# Altium PCB KCP-2282-601-PCBV3.8.PcbDoc (part 2 of 3) (continued)
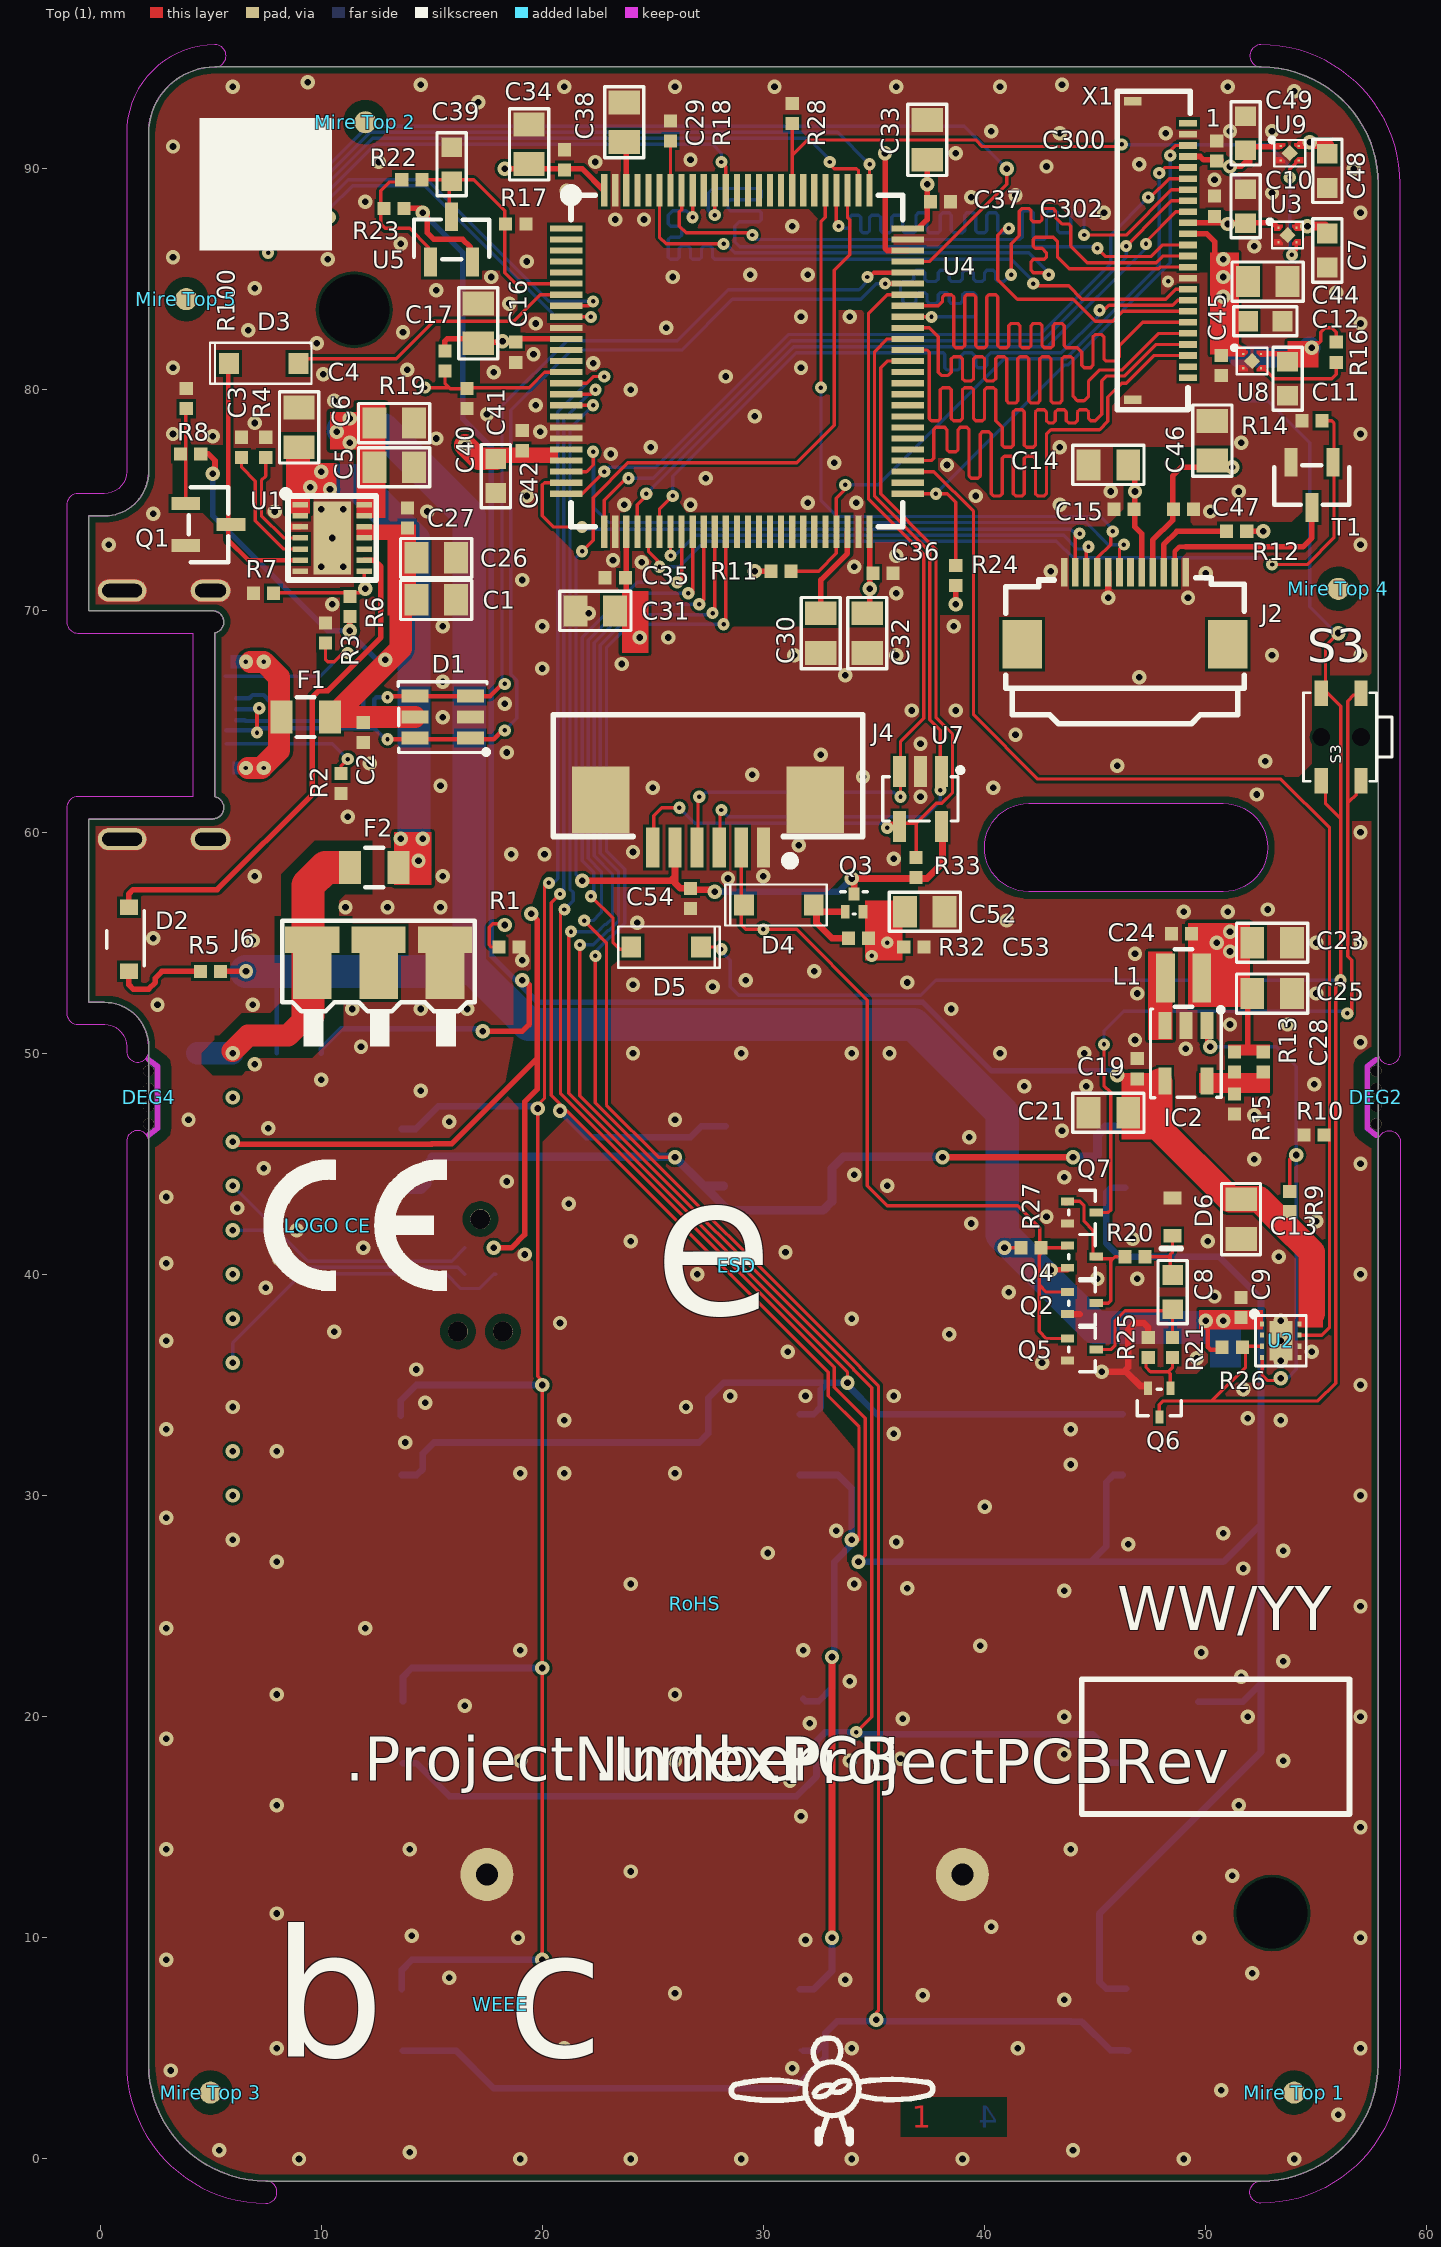
[diagram p0: Top (1) view]
## Nets (pads, with @x,y where several pads share a name; then routed paths per layer and width w, separated by ;. In a path a pad name is that pad's centre, name@x,y a point inside that pad or via, vN(x,y) a via of type N, cw(c..) or ccw(c..) an arc to the next point about the centre after c; other vN are vias at no path point) (continued)
  Top (1) w0.3: v1(33.1,10) v1(33.1,22.7)
  Bottom (4) w0.15: v2@20.975,57.375 20.975,78.675 22.3,80 v2(22.4,80)
  Bottom (4) w0.3: v1(20.8,47.4) 22,46.2 26.7,46.2 27.2,46.7 S7.C@28.3,46.7 ; S10.A@31.65,7.669 32.269,7.669 33.1,8.5 v1(33.1,10) ; S8.C@31.65,30.925 33.375,30.925 34,30.3 v1(34,28) 34.1,27.9 33.2,27 v1@33.2,22.9 ; S9.A@31.8,20.8 31.9,20.7 32.5,20.7 33.1,21.3 v1(33.1,22.7)
KBD_C2: S1.A S2.A S5.A S6.A U4.15 | length 104.3
  Top (1) w0.15: v1(20,9) v1(20,22.2) v1(20,35) 20.1,35.1 19.8,35.4 v1(19.8,47.5) 19.8,47.654 20.1,47.954 v2@20.1,57.6 ; U4.15@21.078,80.3 21.4,80.3 22,80.3 22.3,80.6 v2(22.8,80.6)
  Bottom (4) w0.15: v2(20.3,57.7) 20.3,57.5 20.4,57.6 20.7,57.9 20.7,79 22.3,80.6 v2(22.8,80.6)
  Bottom (4) w0.3: S2.A@13.6,33.6 13.6,33.669 13.6,34.3 14.3,35 v1(20,35) ; S6.A@13.65,7.669 13.65,8.55 14.1,9 v1(20,9) ; S1.A@13.65,46.575 14.275,46.575 15.3,47.6 19.6,47.6 v1@19.7,47.5 ; S5.A@13.7,20.7 13.7,21.8 14.1,22.2 v1(20,22.2)
KBD_R0: S6.C S10.C S14.A U4.37 | length 115.9
  Top (1) w0.15: v2(22.4,54.4) 22.2,54.4 22.3,54.3 22.4,54.2 22.4,47.767 34.35,35.817 34.35,35.811 34.65,35.511 34.65,35.506 35.2,34.956 35.2,6.7 v1@35,6.5 ; v2@28.3,69.3 28.3,69.4 U4.37@28.3,73.578 ; v1(35.1,6.3) v1@35.1,6.5
  Bottom (4) w0.15: v2(22.4,54.4) 22.4,54.6 23.075,55.275 23.125,55.275 23.725,55.875 23.725,58.331 22.9,59.156 22.9,68.344 23.956,69.4 v2(28.2,69.4) ; S10.C@31.65,4.919 S10.C@31.8,4.919
  Bottom (4) w0.3: S6.C@13.7,4.9 16.1,4.9 17.8,3.2 31.4,3.2 32.8,4.6 32.8,5.3 ; S10.C@31.8,4.9 32.4,4.9 32.8,5.3 ; 43.9,6.2 44.4,6.2 45.681,4.919 S14.A@46.35,4.919 ; 43.9,6.219 35.1,6.219 33.319,6.219 32.8,5.7 32.8,5.3 ; S14.A@46.35,4.9 S14.A@46.5,4.9
KBD_R1: S5.C S9.C S13.D U4.36 | length 103.6
  Top (1) w0.15: v2(21.7,54.9) 21.7,48.078 34.075,35.703 34.075,35.692 34.092,35.675 34.097,35.675 34.375,35.397 34.375,35.392 34.9,34.867 34.9,20 v2(34.2,19.3) ; v2(27.7,69.9) 27.8,70 U4.36@27.8,73.578
  Bottom (4) w0.15: v2(21.7,54.9) 22.3,54.9 22.95,55.55 23.011,55.55 23.45,55.989 23.45,58.217 22.625,59.042 22.625,68.458 23.992,69.825 27.625,69.825 v2(27.7,69.9)
  Bottom (4) w0.3: S5.C@13.7,17.9 14.3,17.9 15.8,16.4 31.5,16.4 32.4,17.3 32.4,18.1 ; S9.C@31.8,18 32.3,18 32.4,18.1 ; 33.321,19.219 34.2,19.218 44.9,19.2 45.3,18.8 45.3,18.2 45.581,17.919 S13.D@46.37,17.919 ; v2(34.2,19.3) 32.8,19.3 32.4,18.9 32.4,18.1
KBD_R2: S2.C S8.A S12.C U4.35 | length 88.1
  Top (1) w0.15: v2(21.3,55.5) 21.2,55.4 21.2,48.189 33.8,35.589 v1(33.8,35.1) ; v2(27.1,70.3) 27.3,70.5 U4.35@27.3,73.578
  Bottom (4) w0.15: v2(21.3,55.5) 22.511,55.5 22.836,55.825 22.897,55.825 23.175,56.103 23.175,58.103 22.35,58.928 22.35,68.572 24.078,70.3 v2(27.1,70.3)
  Bottom (4) w0.3: S2.C@13.65,30.925 14.325,30.925 14.6,31.2 14.6,31.9 15.1,32.4 27.1,32.4 27.5,32.8 27.5,34.4 28.2,35.1 32.9,35.1 ; S8.A@31.65,33.675 32.275,33.675 32.6,34 32.6,34.8 32.9,35.1 ; v1(33.8,35.1) v1@33.7,35.1 ; S12.C@46.25,33.675 35.125,33.675 33.75,35.05 v1@33.7,35.1 ; 32.9,35.1 v1@33.7,35.1
KBD_R3: S1.C S7.A S11.C U4.34 | length 73.5
  Top (1) w0.15: v2(21.9,56) 22.9,55 22.9,47.656 25.256,45.3 v1(26,45.3) ; v2(26.6,70.8) 26.8,70.8 U4.34@26.8,73.578
  Top (1) w0.3: v1(38.1,45.3) v1(44,45.3)
  Bottom (4) w0.15: v2(21.9,56) 22.3,56 22.6,56.3 22.675,56.375 22.675,58.214 22.075,58.814 22.075,68.686 24.189,70.8 v2(26.6,70.8)
  Bottom (4) w0.4: S1.C@13.65,43.825 14.525,43.825 14.8,44.1 14.8,45 15.1,45.3 ; 15,45.319 26,45.319 v1(26,45.3) 27.3,44 ; S7.A@28.2,44 27.3,44 ; v1@38.081,45.319 33.619,45.319 33.2,44.9 33.1,44.8 33.1,43.3 32.7,42.9 28.4,42.9 27.3,44 ; v1(44,45.3) 45,45.3 45.1,45.4 45.1,46.3 45.468,46.668 S11.C@46.35,46.668
M\C\U\_\R\S\T\: C40.1 JRST.1 P210.3 R19.1 U4.14 | length 76.8
  Top (1) w0.15: v2(14.7,80.1) 15.8,80.1 ; R19.1@15.6,80.7 15.6,80.3 15.8,80.1 ; C40.1@16.6,80.055 15.845,80.055 15.8,80.1 ; C40.1@16.6,80.1 19.4,80.1 20.1,80.8 U4.14@21.078,80.8
  VCC (3) w0.15: v1@6,36.1 12.85,42.95 12.85,48.228 10.25,50.828 10.25,69.783 7.325,72.708 7.325,75.192 9.625,77.492 9.625,79.5 10.225,80.1 v2(14.7,80.1)
  Bottom (4) w0.15: v1(6,36) 6,36.9 9.125,40.025 15.651,40.025 16.316,39.36 17.16,39.36 17.798,39.997 17.8,40 17.835,40 P210.3@17.9,40
MCU_BOOT0: R18.2 U4.94 | length 2.2
  Top (1) w0.15: U4.94@25.8,89.022 R18.2@25.8,91.2
MCU_OSC_IN: U4.12
MCU_OSC_OUT: U4.13
MCU_USB2_N: D1.1 D1.6 J8.A7 J8.B7 U4.70 | length 50.3
  Top (1) w0.2: v2(7.1,64.5) v2@7.1,65.6 ; v2(13,64.2) 14.245,64.2 16.755,64.2 17.8,64.2 18.25,64.65 18.3,64.7 v2(18.3,64.6) ; v2(35.5,84.8) U4.70@36.522,84.8
  Bottom (4) w0.15: v2(18.3,64.6) 18.85,65.15 18.85,66.857 18.575,67.132 18.575,79.075 21.3,81.8 26.3,81.8 28.6,84.1 34.407,84.1 35.107,84.8 v2(35.5,84.8)
  Bottom (4) w0.2: J8.B7@5.7,64.6 6.05,64.6 7.1,64.6 7.2,64.7 12.4,64.7 12.55,64.55 v2@12.9,64.2 ; J8.A7@6.15,65.55 7.05,65.55 v2@7.1,65.6 ; v2@12.95,64.25 v2(13,64.2)
  other v2: 7.2,65.6
MCU_USB2_P: D1.3 D1.4 J8.A6 J8.B6 U4.71 | length 51.6
  Top (1) w0.2: v2(13,66.1) 13.05,66.15 D1.4@14.245,66.15 D1.3@16.755,66.15 17.65,66.15 18.25,66.75 v2@18.3,66.8 ; v2@34.7,85 34.75,85.05 35,85.3 U4.71@36.522,85.3
  Bottom (4) w0.15: v2(18.3,66.7) 18.175,66.825 18.175,79.275 21.125,82.225 26.101,82.225 28.401,84.525 34.325,84.525 34.7,84.9 v2(34.7,85.1)
  Bottom (4) w0.2: J8.A6@6.15,65.05 6.55,65.05 6.575,65.025 8,65.025 ; J8.B6@6.15,66.05 6.75,66.05 6.9,66.2 7.4,66.2 7.7,65.9 7.7,65.325 8,65.025 ; v2(13,66.1) 12.5,66.1 12.4,66 12.4,65.2 12.225,65.025 11.975,65.025 11.9,65.1 11.9,66 11.8,66.1 11.4,66.1 11.3,66 11.3,65.225 11.1,65.025 8,65.025
NetB_1: B.1 F2.1 J6.3 J6.6 VBAT.1 | length 13.5
  Top (1) w1: v1@6,50.1 6.7,50.8 8.5,50.8 9.4,51.7
  Top (1) w1.5: 9.4,51.7 9.4,53.5 9.4,55.14 9.4,57.6 10.2,58.4 F2.1@11,58.4
  Bottom (4) w1: B.1@4.4,50 v1(6,50)
NetC3_2: C3.2 U1.5 | length 5.6
  Top (1) w0.15: C3.2@6.4,76.9 6.4,76.5 7.025,75.875 7.025,74.075 8.3,72.8 U1.5@9.05,72.8
NetC8_1: C8.1 D6.1 R20.2 | length 2.6
  Top (1) w0.15: R20.2@47.3,40.8 48.3,40.8 48.4,40.7 ; C8.1@48.4,40.2 48.4,40.7 ; D6.1@48.5,41.65 48.5,41 48.4,40.9 48.4,40.7
NetC8_2: C8.2 Q5.3 R21.2 | length 6
  Top (1) w0.15: Q5.3@45.2,36.6 45.7,36.6 45.9,36.8 45.9,37.9 46.35,38.35 48.5,38.35 48.54,38.39 C8.2@48.65,38.5 ; R21.2@48.5,37.2 C8.2@48.5,38.3
NetC28_1: C28.1 IC2.5 R13.2 R15.2
NetC29_1: C29.1 U4.98 | length 2.2
  Top (1) w0.25: U4.98@23.8,88.722 U4.98@23.8,89.022 C29.1@23.8,90.9
NetC30_1: C30.1 U4.48 | length 3.9
  Top (1) w0.25: C30.1@32.6,70.2 32.6,71.4 33.8,72.6 U4.48@33.8,73.578
NetC54_1: C54.1 J4.5 Q3.3 R33.2 U4.78 U7.5 | length 61.4
  Top (1) w0.15: v2(21.8,72.7) 22.3,73.2 22.3,75.128 23.872,76.7 31.5,76.7 33.2,78.4 33.2,85.4 33.9,86.1 33.9,87.7 33.8,87.8 U4.78@33.8,89.022
  Top (1) w0.3: v1(21.8,57.8) 25.8,57.8 26,58 ; J4.5@26,58.9 26,58 ; C54.1@26.7,57.4 27.7,57.4 v1(27.8,57.3) ; C54.1@26.7,57.455 26.245,57.455 26,57.7 26,58 ; Q3.3@34.1,57.2 34.1,57.9 36.9,57.9 37.4,57.9 38.1,58.6 U7.5@38.1,60.2
  Bottom (4) w0.15: v1(21.8,57.8) 21.525,58.075 21.525,72.425 v2(21.8,72.7)
  Bottom (4) w0.3: v1(27.8,57.3) 33.4,57.3 v1(34,57.9)
NetD2_1: D2.1 U1.9 | length 23.4
  Top (1) w0.25: D2.1@1.3,56.7 1.3,57.2 1.5,57.4 5.3,57.4 9.6,61.7 9.6,66.1 9.9,66.4 10.3,66.4 12.7,68.8 12.7,72 12.4,72.3 U1.9@11.95,72.3
NetD2_2: D2.2 R5.2 | length 4.2
  Top (1) w0.25: D2.2@1.3,53.6 1.3,53.1 1.5,52.9 2.2,52.9 2.5,53.2 2.5,53.4 2.8,53.7 R5.2@4.5,53.7
NetD4_A: D4.2 Q3.1 R32.2 | length 3.6
  Top (1) w0.3: D4.2@32.4,56.7 32.4,55.9 33.1,55.2 R32.2@33.845,55.2 ; D4.2@32.6,56.4 Q3.1@33.7,56.4
NetD5_C: D5.1 Q6.3 R26.1 S3.1 S3.2 SW.1 U2.3 | length 93.5
  Top (1) w0.15: D5.1@27.175,54.8 v2@28,54.8 ; Q6.3@47.9,33.55 47.9,34.1 48.075,34.275 55.075,34.275 55.875,35.075 55.875,53.075 v2(56.1,53.3) 56.1,60.6 ; 50.3,34.3 51.8,35.8 51.8,36.7 51.8,36.75 U2.3@52.55,36.75 ; S3.2@55.2,66.3 55.22,66.3 S3.2@55.42,66.3 ; S3.1@55.42,62.325 55.42,61.28 56.1,60.6 ; v1(56,69) 55.42,68.42 S3.2@55.42,66.3 ; S3.2@55.42,66.3 55.5,66.3 56.1,65.7 56.1,60.6
  Bottom (4) w0.15: v2@28.1,54.6 28.5,54.2 28.5,53 28.875,52.625 37.125,52.625 37.8,53.3 56,53.3 56.05,53.35 v2@56.1,53.4 ; SW.1@51.6,79.5 52.8,79.5 54.7,77.6 54.7,70.2 55.95,68.95 v1@56,68.9 ; v2@56.025,53.225 v2(56.1,53.3)
  other v2: 28.1,54.7
NetIC2_1: IC2.1 R9.2 U2.4 | length 23.4
  Top (1) w0.15: IC2.1@50.05,51.25 50.05,50.45 v1(50.2,50.3) ; U2.4@52.55,36.25 52.55,35.45 52.8,35.2 53.325,35.2 v1@53.35,35.225 ; R9.2@53.8,43.755 53.8,45.2 54.05,45.45 v1@54.1,45.5
  Bottom (4) w0.15: v1(50.2,50.3) 53.2,50.3 54.1,49.4 v1(54.1,45.4) 54.1,35.7 53.7,35.3 v1(53.4,35.3)
NetIC2_3: IC2.3 L1.1
NetQ1_1: Q1.1 R8.1 R100.2 | length 4.3
  Top (1) w0.15: R100.2@3.8,79.1 3.828,79.072 3.875,79.025 3.875,77.1 Q1.1@3.875,74.85
NetQ2_3: Q2.3 Q4.3 Q7.1 R20.1 | length 7.2
  Top (1) w0.15: Q7.1@43.65,43.2 Q7.1@43.75,43.2 ; Q7.1@43.75,43.3 44.3,43.3 44.5,43.1 44.5,42.4 44.9,42 Q4.3@44.9,40.8 ; Q4.3@44.9,40.7 45.05,40.7 45.8,40.7 ; Q2.3@45.05,38.7 45.6,38.7 45.7,38.8 45.7,40.6 45.8,40.7 ; 46,40.8 45.9,40.8 45.8,40.7
NetQ6_1: Q6.1 R21.1 R25.2 | length 2.7
  Top (1) w0.15: R25.2@47.3,36 47.3,35.8 47.5,35.6 48.3,35.6 ; Q6.1@48.4,34.95 48.4,35.5 48.3,35.6 ; R21.1@48.5,36.2 48.5,35.8 48.3,35.6
NetQ7_3: Q7.3 S3.3 S3.4 | length 36.5
  Top (1) w0.15: Q7.3@45.05,42.8 45.6,42.8 45.7,42.9 45.7,46.467 45.7,48.233 45.4,48.533 v2(45.4,50.4) ; v2(56.4,51.8) 56.55,51.8 56.6,51.75 56.6,51.8 56.6,54.2 56.42,54.38 56.42,65.92 56.7,66.2 S3.4@56.9,66.2 ; 56.475,61.375 56.82,61.72 S3.3@56.82,62.325
  Bottom (4) w0.15: v2(45.4,50.4) 45.4,51 46.3,51.9 56.2,51.9 v2@56.3,51.8 ; v2(56.4,51.8) v2@56.5,51.9
NetR1_2: R1.2 R6.1 R7.2 U1.8 | length 29.2
  Top (1) w0.15: R7.2@8.1,70.825 11.3,70.825 11.725,70.825 11.95,71.05 U1.8@11.95,71.8 ; R1.2@18.045,54.8 17.7,54.8 17.6,54.9 17.6,55.7 17.75,55.85 v1@18.25,55.85
  VCC (3) w0.15: v1(12,71) 12,70.6 10.525,69.125 10.525,57.675 11,57.2 16.9,57.2 v1(18.3,55.8)
NetR4_1: R4.1 U1.4 | length 4.8
  Top (1) w0.15: R4.1@7.4,76.8 7.5,76.7 7.5,76.1 7.3,75.9 7.3,74.3 8.3,73.3 U1.4@9.05,73.3
NetR16_2: R16.2 U8.3 | length 4
  Top (1) w0.15: 52.6,81 53.008,80.591 53.1,80.5 55.7,80.5 55.9,80.7 R16.2@55.9,81.1
NetR22_2: R22.2 R23.1 U5.1 | length 5.6
  Top (1) w0.15: R22.2@13.4,89.4 13.1,89.4 12.7,89 12.7,88.2 12.7,87.5 12.9,87.3 14,87.3 14.85,86.45 U5.1@14.85,85.8 ; U5.1@14.875,85.775 U5.1@14.9,85.8
NetRx4_1: Rx4.1 U4.8 | length 82
  Top (1) w0.15: U4.8@21.078,83.8 22.1,83.8 v2(22.3,84)
  VCC (3) w0.15: v1(6,30) 5,31 5,36.4 5.7,37.1 6.222,37.1 12.3,43.178 12.3,48 9.7,50.6 9.7,69.556 6.775,72.481 6.775,75.419 8.925,77.569 8.925,85.95 9.6,86.625 v2(9.6,87.4)
  Bottom (4) w0.15: v2(9.6,87.4) 9.6,87.872 11.228,89.5 14.8,89.5 20.3,84 v2(22.3,84)
NetTx4_1: Tx4.1 U4.9 | length 79.4
  Top (1) w0.15: U4.9@21.078,83.3 v2(22.2,83.3)
  VCC (3) w0.15: v1(6,32) 5.275,32.725 5.275,36.286 5.814,36.825 6.336,36.825 12.575,43.064 12.575,48.114 9.975,50.714 9.975,69.67 7.05,72.595 7.05,75.305 9.2,77.455 9.2,85.836 10.4,87.036 v2(10.4,87.8)
  Bottom (4) w0.15: v2@10.4,87.7 v2(10.4,87.8) 10.4,88.2 11.425,89.225 14.686,89.225 20.611,83.3 v2(22.2,83.3)
P\W\R\_\H\A\L\T\_\R\E\Q\: D5.2 U4.33 | length 23.3
  Top (1) w0.15: v2(22.2,57.1) 23.2,56.1 23.2,55 23.5,54.7 24.025,54.7 D5.2@24.1,54.7 ; v2(26.1,71.3) 26.2,71.3 26.3,71.4 U4.33@26.3,73.578
  Bottom (4) w0.15: v2@22.1,57.1 22.15,57.15 22.325,57.325 22.325,58.175 21.8,58.7 21.8,68.8 24.3,71.3 v2(26.1,71.3)
PWR_CAM_EN: R28.2 U3.3 U4.83 U9.3 | length 31.8
  Top (1) w0.15: R28.2@31.2,92.1 31.278,92.023 31.3,92 31.3,90.6 ; U4.83@31.3,89.022 31.3,90.6 ; v2@46.2,91 39.9,91 39.6,91.3 32,91.3 31.3,90.6 ; v2@53.8,89.5 v2(53.8,89.6) 53.8,89.97 U9.3@54.205,90.375 ; 54.1,86.3 54.1,86.6
  Bottom (4) w0.15: v2@46.2,91.075 52.825,91.075 53.8,90.1 v2(53.8,89.6) 53.8,86.2 v2(53.9,86.1)
  other v2: 46.2,91.1
PWR_KILL: R10.2 U2.7 U4.53 | length 55
  Top (1) w0.15: U4.53@36.8,76.3 37.7,76.3 39.5,74.5 39.5,65.3 42.4,62.4 53.4,62.4 55.6,60.2 55.6,46.3 55.6,37.6 55.25,37.25 U2.7@54.25,37.25
SC_PRES_SW: D4.1 J4.2 Q2.1 Q4.1 Q5.1 R27.1 SC_SW.1 | length 36.1
  Top (1) w0.15: J4.2@29,59.3 29,56.7 29,55.8 29.2,55.6 v2(30,55.6) 31.5,55.6 34.7,52.4 34.7,44 35.6,43.1 41.5,43.1 42.5,42.1 42.5,41.5 42.677,41.323 R27.1@42.7,41.3 ; J4.2@29.04,59.3 J4.2@29.04,59.5 ; Q2.1@43.55,39.2 42.8,39.2 42.475,39.525 ; Q5.1@43.7,37.1 42.8,37.1 42.475,37.425 42.475,39.525 ; Q4.1@43.7,41.2 42.8,41.2 42.677,41.077 42.475,40.875 42.475,39.525
SC_RST: J4.4 U4.69 U7.3 | length 36.9
  Top (1) w0.15: J4.4@27.04,59.5 27.04,61.54 v2(27.1,61.6) ; v2@36.2,61.5 v2(36.2,61.6) 36.2,62.75 36.2,64.1 37.25,65.15 37.25,72.572 34.75,75.072 34.75,83.45 35.6,84.3 U4.69@36.522,84.3
  Bottom (4) w0.15: v2@27.2,61.6 27.4,61.8 35.9,61.8 36.15,61.55 v2@36.2,61.5
SC_USART_CLK: J4.3 U4.65 U7.1 | length 35.1
  Top (1) w0.15: J4.3@28.04,59.5 28.04,60.94 v2(28.1,61) ; U4.65@36.522,82.3 35.6,82.3 35.025,81.725 35.025,75.186 37.525,72.686 37.525,65.075 38,64.6 38,62.75 v2(38,61.9)
  Bottom (4) w0.15: v2(28.1,61) 28.4,60.7 37.3,60.7 38,61.4 v2(38,61.9)
SC_USART_TX: J4.6 R33.1 U4.63 U7.4 | length 39.5
  Top (1) w0.15: J4.6@25.04,59.5 25.04,60.74 25.4,61.1 v2(26.2,61.1) ; v2@35.5,60.2 35.55,60.25 35.7,60.4 36.15,60.4 36.917,60.4 ; U4.63@36.522,81.3 35.6,81.3 35.3,81 35.3,75.3 37.8,72.8 37.8,65.189 38.55,64.439 38.55,61.778 38.072,61.3 37.817,61.3 36.917,60.4 ; R33.1@36.917,58.883 36.917,60.4
  Bottom (4) w0.15: v2(26.2,61.1) 26.9,60.4 35.4,60.4 v2(35.6,60.2)
SCR_BL_PWM: R14.2 T1.1 U4.30 | length 39.4
  Top (1) w0.15: U4.30@24.8,73.578 24.8,72.7 25.2,72.3 v2@25.2,72 ; v2(53,72.1) 54.6,72.1 55.8,73.3 55.8,76.725 55.8,78.5 55.7,78.6 R14.2@55.3,78.6
  Bottom (4) w0.15: v2(25.3,72) 26.2,72 27.35,73.15 43.25,73.15 44,72.4 52.7,72.4 v2(53,72.1)
SCR_D/C: J2.6 U4.23 | length 32.8
  Top (1) w0.15: U4.23@21.078,76.3 22,76.3 22.3,76.6 v2(22.3,77.2) ; J2.6@46.1,71.75 46.1,72.8 v2@46.2,72.9
  Bottom (4) w0.15: v2(22.3,77.2) 22.3,74.7 23,74 44.6,74 45.6,73 v2(46.3,73) ; 22.325,74.725 v2@22.325,77.2
SCR_RST: J2.2 U4.24 | length 28.9
  Top (1) w0.15: U4.24@21.078,75.8 20.1,75.8 20,75.7 20,74.3 20.5,73.8 v2(21.8,73.8) ; J2.2@44.1,71.75 44.1,73.4 v2@44.2,73.5
  Bottom (4) w0.15: v2(21.8,73.8) 21.9,73.7 43.9,73.7 v2@44.2,73.4
  other v2: 44.3,73.5
SCR_SPI_MOSI: J2.3 U4.32 | length 21.9
  Top (1) w0.15: v2@25.8,72.6 U4.32@25.8,73.578 ; J2.3@44.6,71.75 44.6,72.8 v2(44.7,72.9) v2@44.8,73
  Bottom (4) w0.15: v2(25.8,72.5) 26,72.5 26.925,73.425 43.575,73.425 44.2,72.8 v2@44.7,72.8
SCR_SPI_SCK: J2.4 U4.80 | length 30.1
  Top (1) w0.15: v2(32.6,80.1) 32.6,86.8 32.6,87.6 32.8,87.8 U4.80@32.8,89.022 ; J2.4@45.1,71.75 45.1,72.4 45.7,73 v2@45.7,73.6
  Bottom (4) w0.15: v2(32.6,80.1) 32.6,75 33.325,74.275 45.225,74.275 45.85,73.65 v2@45.9,73.6
  other v2: 45.8,73.6
SCR_TE: J2.7
USB_5V: F1.1 J8.A4_B9 J8.B4_A9 VIN.1 | length 23.1
  Top (1) w1: v3@6.7,62.9 7.3,62.9 7.35,62.95 8.1,63.7 8.1,65.2 8.1,67 v3(7.4,67.7) v3@6.8,67.7
  VCC (3) w0.5: v1@5.9,48 v1(6,48) 6.9,48 7.9,49 7.9,62.4 v3(7.4,62.9)
  other v3: 6.6,62.9 6.6,67.7
V1P5: 1V5.1 C10.1 C302.1 U3.1 X1.10 | length 4.1
  Top (1) w0.25: X1.10@49.2,87.55 50.4,87.55 51,87.55 51.8,87.55 53.05,87.55 U3.1@53.25,87.35
  other v1: 51,87.5
V1P8: 1V8.1 C12.1 C14.1 C15.1 C16.1 C17.1 C31.1 C32.1 C33.1 C34.1 C35.1 C36.1 C37.1 C38.1 C44.1 C45.1 C52.1 C53.1 J1V8.1 J2.8 P210.1 Q3.2 R11.2 R19.2 R24.2 R32.1 U4.11 U4.28 U4.50 U4.75 U4.100 U8.1 X1.11 | length 63.6
  Top (1) w0.25: v1(6,46) 6.106,45.894 15,45.894 ; 15,45.9 15.9,45.9 19.775,49.775 ; R19.2@15.6,81.755 15.6,82.2 15.7,82.3 15.8,82.3 C17.1@17.1,82.3 ; C17.1@17.745,82.155 18.2,82.155 C16.1@18.8,82.155 ; v1(17.8,41.2) 18.6,41.2 19.2,41.8 19.2,47.8 19.775,48.375 19.775,49.775 ; v1(18.3,90) 19.4,90 21,90 21.8,90 22.778,89.022 U4.100@22.8,89.022 ; C16.1@18.8,82.3 U4.11@21.078,82.3 ; v1(19.5,56.3) 19.775,56.025 19.775,49.775 ; C31.1@23.8,69.9 23.8,70 23.8,71.5 U4.28@23.8,73.578 ; v1@29.7,71.8 R11.2@30.3,71.8 ; C32.1@34.8,70 v1(34.8,71) 34.8,71.7 U4.50@34.8,73.578 ; U4.75@37.1,87.4 37.4,87.7 37.4,88.5 v1(37.4,89.3) C33.1@37.4,90.3 ; v1@38.7,70.2 v1(38.7,70.3) R24.2@38.7,71.1 ; C14.1@46.8,76.4 v1(46.8,75.4) 46.8,74.6 46.8,73.8 47.1,73.5 J2.8@47.1,71.75 ; X1.11@49.2,87.05 50.05,87.05 50.4,86.7 50.4,85.9 50.4,85.1 50.4,84.4
  Top (1) w0.4: C45.1@51,81.7 51.6,81.7 ; 51.1,82.1 51.654,81.731
  other v1: 24.4,68.8 29.6,71.8 18.2,82.2 50.8,84.2 50.8,85.1 50.8,85.9
  other v2: 34.9,54.4 35.6,55
V2P8: 2V8.1 C49.1 C300.1 U9.1 X1.4 | length 5.3
  Top (1) w0.25: X1.4@49.2,90.55 49.75,90.55 49.9,90.4 50.5,90.4 C300.1@50.7,90.4 ; v1(51.1,90.1) 51.6,90.1 51.8,90.3 52,90.3 C49.1@52,90.8 ; C49.1@52,90.9 52.1,91 53.3,91
  Bottom (4) w0.25: v1@51,90.2 51,90.1 51,90 2V8.1@51.5,89.5
V3P0: C7.1 C11.1 C23.1 C24.1 C25.1 C28.2 C41.1 C42.1 C46.1 C47.1 C48.1 J2.9 L1.2 R12.2 R13.1 R16.1 U3.4 U4.21 U4.22 U4.73 U8.4 U9.4 V3P0.1 | length 126.7
  Top (1) w0.15: v1(54.6,87.4) v1@54.7,87.4 ; v1@54.9,81.9 55.2,82.2 55.2,82.6 55.4,82.8 55.7,82.8 55.9,82.6 R16.1@55.9,82.3
  Top (1) w0.25: v1(35.5,90.7) 35.5,86.4 35.6,86.3 U4.73@36.522,86.3 ; J2.9@47.6,71.75 47.6,73.2 48.5,74.1 48.5,74.6 48.5,76.1 48.9,76.5 50.3,76.5 v1(51.2,76.5) v1@51.3,76.5 ; 51.9,50.3 C25.1@51.9,52.2 ; R12.2@52,73.6 52.6,73.6 v1@52.75,73.6 ; U8.4@52.505,81.625 53.7,81.625 v1@54.675,81.625
  Top (1) w0.4: 54.2,87.4 v1(54.6,87.4) ; 54.3,91.1 54.7,91.1 v1@54.9,91.1 ; v1@54.7,87.4 C7.1@55.4,87.4 ; v1@55,91.1 55.5,91.1 C48.1@55.6,91.1
  Top (1) w1: v1(16.5,77.5) 17.13,76.87 C41.1@17.9,76.87
  VCC (3) w0.4: v1(51.2,76.5) 54.5,76.5 54.7,76.5 ; v1(52.6,73.6) 54.5,73.6 54.6,73.6
  VCC (3) w0.55: v1(35.5,90.7) 35.5,92.4
  VCC (3) w1: v1(16.5,77.5) 16.5,77.7 16.2,78 16.2,90.5 18.4,92.7 53.4,92.7 54.7,91.4 v1(54.7,91.2) ; 51.1,55.1 53.3,55.1 53.9,55.7 53.9,65 54.5,65.6 54.5,73.6 54.5,76.5 54.5,81.6 v1(54.8,81.9) 54.8,87.4 v1@54.8,91.2
  Bottom (4) w1: V3P0.1@51.5,81.5 54.3,81.5 v1@54.7,81.9
  other v1: 51.1,54.6 50.5,55 51.1,55.5
V\U\S\B\_\O\K\: D3.2 U4.7 | length 13.1
  Top (1) w0.15: D3.2@9.175,81.4 13.4,81.4 15.1,83.1 18.7,83.1 19.9,84.3 U4.7@21.078,84.3
VBAT: C39.1 R17.2 R22.1 U4.6 U5.3 | length 11.7
  Top (1) w0.15: R22.1@14.6,89.5 15.9,89.5 16.9,89.5 18.3,88.1 18.3,87.5 18.3,85.3 18.8,84.8 U4.6@21.078,84.8 ; U5.3@15.8,87.8 15.8,87.825 C39.1@15.8,89.4
VSYS: C5.1 C6.1 C9.1 Q4.2 R5.1 R26.2 R27.2 U1.13 U1.14 U2.1 VSYS.1 | length 89.1
  Top (1) w0.15: v1(40.9,41.2) R27.2@41.645,41.2 R27.2@41.8,41.2
  Top (1) w0.2: 50.1,37.5 50.1,36.7 50.2,36.6 R26.2@50.6,36.6
  Top (1) w0.25: R5.1@5.7,53.7 v1(6.6,53.7) ; v1(43,40.2) Q4.2@43.75,40.2
  Bottom (4) w0.2: VSYS.1@8,50 8,53.5
  Bottom (4) w1.5: v1(6.6,53.7) 16.1,53.7 16.6,54.2 ; v1@11,78.2 11.3,78.2 12.8,78.2 16.7,74.3 16.7,53.986 19.386,51.3 36.8,51.3 40.8,47.3 40.8,41.8 41.15,41.45 42.7,39.9 45,37.6 50,37.6 50.6,37.6
  other v1: 50,37.9 50.8,37.9 11.3,77.6 10.7,78.1 11.3,78.7
VSYS_SWITCHED: C13.1 C19.1 C21.1 IC2.4 R9.1 R23.2 U2.8 U5.2 VSW.1 | length 96.2
  Top (1) w0.25: R23.2@13.9,88.2 v1@14.5,88.2 ; v1@14.8,87.9 14.8,87.1 15.1,86.8 16.4,86.8 16.75,86.45 U5.2@16.75,85.8 ; v1(17.3,51) 19.1,51 19.4,51.3 19.4,53.1 19.2,53.3 v1(19.1,53.3)
  Top (1) w1.2: IC2.4@47.9,48.7 47.9,46.6 51.1,43.4 51.6,43.4 52.4,43.4 53.377,42.423 54.8,41 54.8,38.25
  Bottom (4) w0.25: VSW.1@10,50 10,50.2 10.9,51.1 17.2,51.1 v1(17.3,51) v1@17.4,50.9 ; v1(14.6,88) 16.4,86.2 16.4,78.7 17.7,77.4 17.7,54.4 18.95,53.15 19.8,52.3 37.214,52.3 40.314,49.2 45.8,49.2 v1(46,49)
VUSB: C1.1 C2.1 C26.1 C27.1 D1.5 F1.2 R6.2 R8.2 U1.11 U1.12 | length 24.7
  Top (1) w0.25: R8.2@4.6,77.1 4.9,77.1 5.2,76.8 5.2,76.4 5.05,76.25 v1@5,76.2 ; v1@11.4,68.9 11.3,69 v1(11.3,69.1) 11.3,69.6 11.373,69.672 R6.2@11.4,69.7
  Top (1) w1: 13.6,70.6 13.6,70.5 13.6,68.3 13,67.7 10.7,65.4 10.7,65.2 11.9,65.2 D1.5@14.245,65.2 D1.5@14.25,65.2
  Bottom (4) w0.25: v1(5.1,76.2) 5.1,74.3 10.3,69.1 v1(11.3,69.1) ; v1@11.35,68.95 12.5,67.8 v1(12.9,67.8)
pads on no net: "Mire BOT 1.0" "Mire BOT 2.0" "Mire BOT 3.0" "Mire BOT 4.0" "Mire Top 1.0" "Mire Top 2.0" "Mire Top 3.0" "Mire Top 4.0" "Mire Top 5.0" DEG2.0 DEG4.0 J2.S1 J2.S2 J8.A8 J8.B8 P210.5 P210.A P210.B P210.C S1.B S1.D S2.B S2.D S3.0 S5.B S5.D S6.B S6.D S7.B S7.D S8.B S8.D S9.B S9.D S10.B S10.D S11.B S11.D S12.B S12.D S13.B S13.C S14.B S14.D U1.10 U2.2 U4.1 U4.2 U4.3 U4.4 U4.5 U4.18 U4.38 U4.39 U4.40 U4.41 U4.42 U4.43 U4.44 U4.45 U4.46 U4.52 U4.55 U4.56 U4.57 U4.58 U4.59 U4.60 U4.61 U4.62 U4.81 U4.82 U4.84 U4.85 U4.86 U4.87 U4.88 U4.91 U4.96 U4.97 X1.1 X1.23 X1.24

## Polygon pours and split planes (outlines as drawn)
V1P8 on VCC (3) "VCC_1V8" (solid, pour order 108): 17.8,90.3 17.8,57.5 20.5,54.8 32.488,54.8 33.66,54 35.6,54 36.2,54.6 36.2,66.9 39,69.7 43.8,69.7 45.7,71.6 47.8,73.7 47.8,78.1 47.8,79.9 48.7,80.8 51.1,83.2 51.1,86.1 49.1,88.1 39.2,88.1 37.8,89.5 21,89.5 19.9,90.6 18.1,90.6
GND on VCC (3) "VCC_GND" (solid, pour order 110): -1,74.3 0.4,74.3 2.2,76.1 2.2,92.9 3.9,94.6 54.7,94.6 57.8,91.5 57.8,2.1 54.7,-1 5.3,-1 2.2,2.1 2.2,50.4 0.3,52.3 -1,52.3
GND on Top (1) "TOP_GND" (solid, pour order 104): 54.7,-1 57.8,2.1 57.8,91.5 54.7,94.6 3.9,94.6 2.2,92.9 2.2,76.1 0.4,74.3 -1,74.3 -1,70 4.7,70 4.7,60.6 -1,60.6 -1,52.3 0.3,52.3 1.1,51.5 2.2,50.4 2.2,2.1 5.3,-1
GND on Bottom (4) "BOT_GND" (solid, pour order 112): 5.3,-1 2.2,2.1 2.2,50.4 0.3,52.3 -1,52.3 -1,60.6 4.7,60.6 4.7,70 -1,70 -1,74.3 0.4,74.3 2.2,76.1 2.2,92.9 3.9,94.6 54.7,94.6 57.8,91.5 57.8,2.1 54.7,-1
GND on GND (2) "GND" (solid, pour order 106): 57.8,2.1 54.7,-1 5.3,-1 2.2,2.1 2.2,50.4 0.3,52.3 -1,52.3 -1,60.6 4.7,60.6 4.7,70 -1,70 -1,74.3 0.4,74.3 2.2,76.1 2.2,92.9 3.9,94.6 54.7,94.6 57.8,91.5 57.8,2.1